# Altium PCB MB1363.PcbDoc (part 1 of 7) (continued)
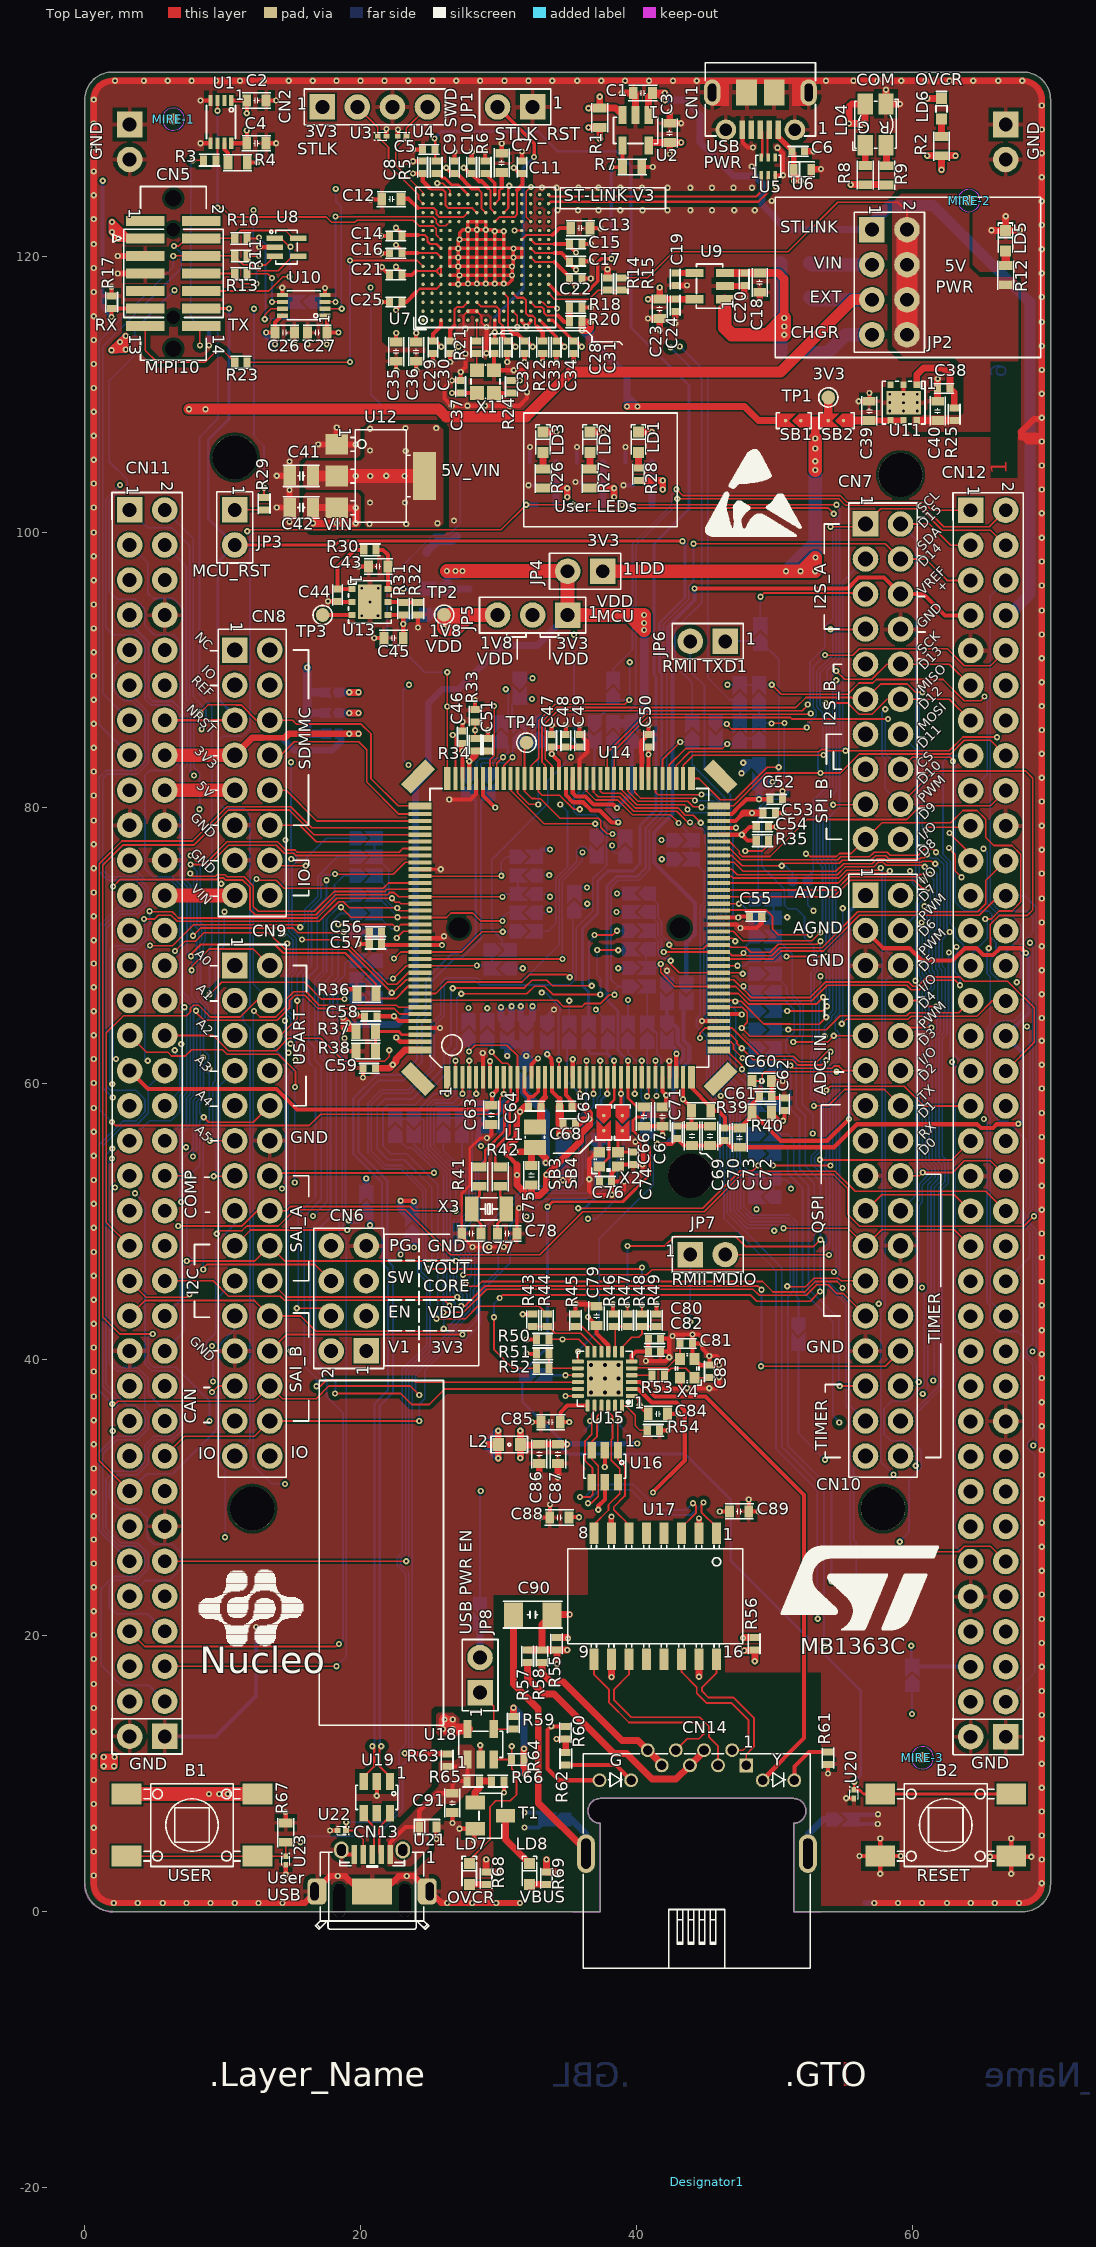
[diagram p0: Top Layer view]
## Components (designator, comment, footprint, x,y, rotation, side; value= is the part's Value field where it differs from the comment) (continued)
LD8 "LED_green" LED_0603_OSRAM_LG-Q396-PS-35_GREEN_1A2K_H0P4 32.241,2.729 r90 top value=GREEN
MIRE-1 "Comment" MIRE_PLACE_SMD_0P8MM 6.416,129.929 r0 top
MIRE-2 "Comment" MIRE_PLACE_SMD_0P8MM 64.091,124.029 r0 top
MIRE-3 "Comment" MIRE_PLACE_SMD_0P8MM 60.716,11.154 r0 top
MIRE-4 "Comment" MIRE_PLACE_SMD_0P8MM 63.891,130.654 r180 bottom
MIRE-5 "Comment" MIRE_PLACE_SMD_0P8MM 5.841,128.029 r180 bottom
MIRE-6 "Comment" MIRE_PLACE_SMD_0P8MM 65.016,2.029 r180 bottom
Q1 "9013-SOT23" NPN_SOT23 40.141,106.147 r180 bottom
Q2 "9013-SOT23" NPN_SOT23 36.616,106.147 r180 bottom
Q3 "9013-SOT23" NPN_SOT23 33.208,106.147 r180 bottom
R1 "Resistor" R0603 37.325,130.029 r270 top value=100K
R2 "Resistor" R0603 62.091,127.979 r270 top value=1K
R3 "Resistor" R0402 9.041,126.954 r0 top value=47R
R4 "Resistor" R0603 11.066,126.779 r0 top value=100K
R5 "Resistor" R0402 25.466,126.429 r90 top value=100R
R6 "Resistor" R0402 29.016,126.429 r270 top value=3K
R7 "Resistor" R0603 39.673,126.459 r0 top value=10K
R8 "Resistor" R0603 56.566,125.877 r270 top value=330R
R9 "Resistor" R0603 58.116,125.852 r270 top value=330R
R10 "Resistor" R0402 11.316,121.279 r0 top value=47R
R11 "Resistor" R0402 11.316,120.004 r180 top value=47R
R12 "Resistor" R0603 66.746,118.619 r270 top value=620R
R13 "Resistor" R0402 11.316,118.729 r0 top value=47R
R14 "Resistor" R0402 37.891,117.979 r270 top value=4K7
R15 "Resistor" R0402 38.941,117.979 r270 top value=2K7
R17 "Resistor" R0402 1.941,116.654 r270 top value=100R
R18 "Resistor" R0402 35.591,116.279 r0 top value=4K7
R20 "Resistor" R0402 35.591,115.229 r0 top value=4K7
R21 "Resistor" R0402 28.416,113.404 r90 top value=100R
R22 "Resistor" R0402 33.191,113.404 r90 top value=10K
R23 "Resistor" R0402 11.316,112.304 r180 top value=47R
R24 "Resistor" R0402 30.916,110.529 r270 top value=10K
R25 "Resistor" R0402 63.016,108.529 r270 top value=10K
R26 "Resistor" R0603 33.216,103.879 r270 top value=360R
R27 "Resistor" R0603 36.616,103.879 r270 top value=470R
R28 "Resistor" R0402 40.141,104.179 r270 top value=270R
R29 "Resistor" R0402 12.991,102.054 r270 top value=47R
R30 "Resistor" R0402 20.666,98.704 r180 top value=10K
R31 "Resistor" R0402 23.1,94.45 r90 top value=27K
R32 "Resistor" R0402 24.15,94.45 r90 top value=56K
R33 "Resistor" R0402 28.291,86.679 r90 top value=0R
R34 "Resistor" R0402 28.291,84.579 r90 top value=0R
R35 "Resistor" R0402 49.116,77.629 r0 top value=0R
R36 "Resistor" R0603 20.416,66.504 r180 top value=10K
R37 "Resistor" R0603 20.366,63.753 r180 top value=10K
R38 "Resistor" R0603 20.366,62.379 r180 top value=10K
R39 "Resistor" R0603 44.666,58.054 r180 top value=0R
R40 "Resistor" R0603 49.066,57.929 r180 top value=0R
R41 "Resistor" R0603 28.616,53.279 r270 top value=0R
R42 "Resistor" R0603 30.116,53.279 r270 top value=0R
R43 "Resistor" R0402 32.466,42.854 r90 top value=10K
R44 "Resistor" R0402 33.516,42.854 r270 top value=33R
R45 "Resistor" R0402 35.566,42.854 r90 top value=10K
R46 "Resistor" R0402 38.291,42.854 r90 top value=10K
R47 "Resistor" R0402 39.341,42.854 r270 top value=33R
R48 "Resistor" R0402 40.391,42.854 r270 top value=33R
R49 "Resistor" R0402 41.441,42.854 r90 top value=10K
R50 "Resistor" R0402 33.191,41.479 r180 top value=1K5
R51 "Resistor" R0402 33.191,40.429 r180 top value=10K
R52 "Resistor" R0402 33.191,39.379 r0 top value=33R
R53 "Resistor" R0402 41.566,38.879 r180 top value=0R
R54 "Resistor" R0402 41.216,34.879 r0 top value=12K1
R55 "Resistor" R0402 34.191,19.404 r90 top value=75R
R56 "Resistor" R0402 48.516,19.404 r90 top value=75R
R57 "Resistor" R0402 32.091,18.504 r270 top value=75R
R58 "Resistor" R0402 33.141,18.504 r270 top value=75R
R59 "Resistor" R0402 31.066,13.679 r90 top value=47K
R60 "Resistor" R0402 34.841,12.973 r90 top value=10K
R61 "Resistor" R0402 53.866,11.129 r90 top value=270R
R62 "Resistor" R0402 34.866,11.079 r270 top value=270R
R63 "Resistor" R0402 26.266,10.979 r90 top value=10K
R64 "Resistor" R0402 31.391,11.024 r0 top value=47K
R65 "Resistor" R0402 28.141,9.454 r0 top value=47K
R66 "Resistor" R0402 29.941,9.454 r180 top value=10K
R67 "Resistor" R0603 14.566,5.729 r270 top value=100K
R68 "Resistor" R0402 29.091,2.429 r90 top value=360R
R69 "Resistor" R0402 33.466,2.429 r90 top value=270R
R70 "Resistor" R0402 15.866,115.454 r0 bottom value=100R
R71 "Resistor" R0603 40.411,103.385 r0 bottom value=100K
R72 "Resistor" R0603 36.866,103.379 r0 bottom value=100K
R73 "Resistor" R0603 33.466,103.379 r0 bottom value=100K
R74 "Resistor" R0603 36.866,101.979 r0 bottom value=47K
R75 "Resistor" R0603 33.466,101.979 r0 bottom value=47K
R76 "Resistor" R0603 40.414,101.967 r0 bottom value=47K
R77 "Resistor" R0603 30.266,54.904 r270 bottom value=330R
R78 "Resistor" R0402 39.191,34.379 r270 bottom value=49.9R
R79 "Resistor" R0402 38.191,34.379 r270 bottom value=49.9R
R80 "Resistor" R0402 37.191,34.379 r270 bottom value=49.9R
R81 "Resistor" R0402 36.191,34.379 r270 bottom value=49.9R
SB1 "SB_ON" SOLDER-BRIDGE_R0603-0R 51.391,108.079 r180 top
SB2 "SB_ON" SOLDER-BRIDGE_R0603-0R 54.491,108.079 r180 top
SB3 "SB_ON" SOLDER-BRIDGE_R0603-0R 37.616,57.204 r270 top
SB4 "SB_ON" SOLDER-BRIDGE_R0603-0R 38.966,57.204 r270 top
SB5 "SB_ON" SOLDER-BRIDGE_R0603-0R 15.891,116.679 r180 bottom
SB6 "SB_ON" SOLDER-BRIDGE_R0603-0R 25.441,95.879 r180 bottom
SB7 "SB_ON" SOLDER-BRIDGE_R0603-0R 25.441,94.004 r0 bottom
SB8 "SB_ON" SOLDER-BRIDGE_R0603-0R 48.966,92.604 r90 bottom
SB9 "SB_ON" SOLDER-BRIDGE_R0603-0R 38.291,88.679 r90 bottom
SB10 "SB_ON" SOLDER-BRIDGE_R0603-0R 31.516,88.679 r270 bottom
SB11 "SB_ON" SOLDER-BRIDGE_R0603-0R 48.866,88.329 r90 bottom
SB12 "SB_ON" SOLDER-BRIDGE_R0603-0R 47.466,88.329 r90 bottom
SB13 "SB_ON" SOLDER-BRIDGE_R0402-0R 17.925,88.375 r180 bottom
SB14 "SB_ON" SOLDER-BRIDGE_R0402-0R 17.925,86.875 r180 bottom
SB15 "SB_ON" SOLDER-BRIDGE_R0603-0R 48.866,85.529 r90 bottom
SB16 "SB_ON" SOLDER-BRIDGE_R0603-0R 47.466,85.529 r90 bottom
SB17 "SB_ON" SOLDER-BRIDGE_R0603-0R 44.025,85.575 r90 bottom
SB18 "SB_ON" SOLDER-BRIDGE_R0603-0R 39.641,85.529 r90 bottom
SB19 "SB_ON" SOLDER-BRIDGE_R0603-0R 38.291,85.529 r90 bottom
SB20 "SB_ON" SOLDER-BRIDGE_R0603-0R 36.941,85.529 r270 bottom
SB21 "SB_ON" SOLDER-BRIDGE_R0603-0R 32.866,85.529 r90 bottom
SB22 "SB_ON" SOLDER-BRIDGE_R0603-0R 31.516,85.529 r90 bottom
SB23 "SB_ON" SOLDER-BRIDGE_R0603-0R 30.166,85.529 r90 bottom
SB24 "SB_ON" SOLDER-BRIDGE_R0402-0R 17.925,85.375 r180 bottom
SB25 "SB_ON" SOLDER-BRIDGE_R0603-0R 48.866,82.479 r270 bottom
SB26 "SB_ON" SOLDER-BRIDGE_R0603-0R 29.266,81.729 r270 bottom
SB27 "SB_ON" SOLDER-BRIDGE_R0603-0R 27.766,81.729 r270 bottom
SB28 "SB_ON" SOLDER-BRIDGE_R0603-0R 39.166,77.204 r90 bottom
SB29 "SB_ON" SOLDER-BRIDGE_R0603-0R 37.116,77.204 r270 bottom
SB30 "SB_ON" SOLDER-BRIDGE_R0603-0R 20.391,77.804 r0 bottom
SB31 "SB_ON" SOLDER-BRIDGE_R0603-0R 43.366,77.654 r0 bottom
SB32 "SB_ON" SOLDER-BRIDGE_R0603-0R 31.991,76.454 r0 bottom
SB33 "SB_ON" SOLDER-BRIDGE_R0603-0R 20.391,76.454 r0 bottom
SB34 "SB_ON" SOLDER-BRIDGE_R0603-0R 43.366,76.279 r0 bottom
SB35 "SB_ON" SOLDER-BRIDGE_R0603-0R 31.991,75.104 r180 bottom
SB36 "SB_ON" SOLDER-BRIDGE_R0603-0R 20.391,75.079 r0 bottom
SB37 "SB_ON" SOLDER-BRIDGE_R0402-0R 52.4,74.25 r270 bottom
SB38 "SB_ON" SOLDER-BRIDGE_R0402-0R 51.3,74.25 r270 bottom
SB39 "SB_ON" SOLDER-BRIDGE_R0603-0R 35.466,73.204 r90 bottom
SB40 "SB_ON" SOLDER-BRIDGE_R0603-0R 40.166,73.804 r180 bottom
SB41 "SB_ON" SOLDER-BRIDGE_R0603-0R 31.991,73.754 r180 bottom
SB42 "SB_ON" SOLDER-BRIDGE_R0603-0R 20.391,73.704 r0 bottom
SB43 "SB_ON" SOLDER-BRIDGE_R0603-0R 49.316,73.379 r0 bottom
SB44 "SB_ON" SOLDER-BRIDGE_R0603-0R 40.166,72.454 r180 bottom
SB45 "SB_ON" SOLDER-BRIDGE_R0603-0R 31.991,72.404 r180 bottom
SB46 "SB_ON" SOLDER-BRIDGE_R0603-0R 20.391,72.354 r0 bottom
SB47 "SB_ON" SOLDER-BRIDGE_R0603-0R 49.316,72.029 r0 bottom
SB48 "SB_ON" SOLDER-BRIDGE_R0603-0R 40.166,71.104 r0 bottom
SB49 "SB_ON" SOLDER-BRIDGE_R0603-0R 31.991,71.054 r0 bottom
SB50 "SB_ON" SOLDER-BRIDGE_R0603-0R 20.391,71.004 r0 bottom
SB51 "SB_ON" SOLDER-BRIDGE_R0603-0R 49.316,70.679 r0 bottom
SB52 "SB_ON" SOLDER-BRIDGE_R0603-0R 40.166,69.754 r180 bottom
SB53 "SB_ON" SOLDER-BRIDGE_R0603-0R 30.116,69.704 r0 bottom
SB54 "SB_ON" SOLDER-BRIDGE_R0603-0R 49.316,69.329 r0 bottom
SB55 "SB_ON" SOLDER-BRIDGE_R0603-0R 20.391,68.929 r180 bottom
SB56 "SB_ON" SOLDER-BRIDGE_R0603-0R 40.166,68.404 r0 bottom
SB57 "SB_ON" SOLDER-BRIDGE_R0603-0R 30.116,68.354 r180 bottom
SB58 "SB_ON" SOLDER-BRIDGE_R0603-0R 49.316,67.979 r0 bottom
SB59 "SB_ON" SOLDER-BRIDGE_R0603-0R 20.391,67.579 r180 bottom
SB60 "SB_ON" SOLDER-BRIDGE_R0603-0R 43.591,66.579 r270 bottom
SB61 "SB_ON" SOLDER-BRIDGE_R0603-0R 42.191,66.579 r270 bottom
SB62 "SB_ON" SOLDER-BRIDGE_R0603-0R 40.166,67.054 r0 bottom
SB63 "SB_ON" SOLDER-BRIDGE_R0603-0R 49.316,66.629 r180 bottom
SB64 "SB_ON" SOLDER-BRIDGE_R0603-0R 20.391,66.229 r0 bottom
SB65 "SB_ON" SOLDER-BRIDGE_R0603-0R 49.316,65.279 r0 bottom
SB66 "SB_ON" SOLDER-BRIDGE_R0603-0R 29.166,63.929 r90 bottom
SB67 "SB_ON" SOLDER-BRIDGE_R0603-0R 27.816,63.929 r90 bottom
SB68 "SB_ON" SOLDER-BRIDGE_R0603-0R 42.191,63.754 r270 bottom
SB69 "SB_ON" SOLDER-BRIDGE_R0603-0R 40.766,63.754 r90 bottom
SB70 "SB_ON" SOLDER-BRIDGE_R0603-0R 39.366,63.754 r90 bottom
SB71 "SB_ON" SOLDER-BRIDGE_R0603-0R 37.916,63.754 r90 bottom
SB72 "SB_ON" SOLDER-BRIDGE_R0603-0R 36.516,63.754 r90 bottom
SB73 "SB_ON" SOLDER-BRIDGE_R0603-0R 35.116,63.754 r90 bottom
SB74 "SB_ON" SOLDER-BRIDGE_R0603-0R 33.509,63.753 r270 bottom
SB75 "SB_ON" SOLDER-BRIDGE_R0603-0R 32.015,63.753 r270 bottom
SB76 "SB_ON" SOLDER-BRIDGE_R0603-0R 30.616,63.753 r270 bottom
SB77 "SB_ON" SOLDER-BRIDGE_R0603-0R 49.316,63.929 r0 bottom
SB78 "SB_ON" SOLDER-BRIDGE_R0603-0R 49.316,62.579 r0 bottom
SB79 "SB_ON" SOLDER-BRIDGE_R0603-0R 31.966,60.829 r270 bottom
SB80 "SB_ON" SOLDER-BRIDGE_R0603-0R 49.316,61.229 r0 bottom
SB81 "SB_ON" SOLDER-BRIDGE_R0603-0R 49.291,58.479 r180 bottom
SB82 "SB_ON" SOLDER-BRIDGE_R0603-0R 30.366,57.629 r90 bottom
SB83 "SB_ON" SOLDER-BRIDGE_R0603-0R 28.866,57.629 r90 bottom
SB84 "SB_ON" SOLDER-BRIDGE_R0603-0R 40.766,57.204 r90 bottom
SB85 "SB_ON" SOLDER-BRIDGE_R0603-0R 27.341,56.929 r90 bottom
SB86 "SB_ON" SOLDER-BRIDGE_R0603-0R 25.991,56.929 r90 bottom
SB87 "SB_ON" SOLDER-BRIDGE_R0603-0R 23.841,56.929 r270 bottom
SB88 "SB_ON" SOLDER-BRIDGE_R0603-0R 22.491,56.929 r90 bottom
SB89 "SB_ON" SOLDER-BRIDGE_R0603-0R 49.291,56.354 r0 bottom
SB90 "SB_ON" SOLDER-BRIDGE_R0603-0R 39.066,57.204 r270 bottom
SB91 "SB_ON" SOLDER-BRIDGE_R0603-0R 37.191,55.229 r270 bottom
SB92 "SB_ON" SOLDER-BRIDGE_R0603-0R 34.641,54.629 r270 bottom
SB93 "SB_ON" SOLDER-BRIDGE_R0603-0R 49.291,54.929 r0 bottom
SB94 "SB_ON" SOLDER-BRIDGE_R0603-0R 49.291,53.154 r0 bottom
SB95 "SB_ON" SOLDER-BRIDGE_R0603-0R 20.391,51.434 r90 bottom
SB96 "SB_ON" SOLDER-BRIDGE_R0603-0R 49.291,51.804 r180 bottom
SB97 "SB_ON" SOLDER-BRIDGE_R0603-0R 23.725,49.75 r90 bottom
SB98 "SB_ON" SOLDER-BRIDGE_R0603-0R 32.691,38.879 r0 bottom
SB99 "SB_ON" SOLDER-BRIDGE_R0603-0R 28.646,21.589 r270 bottom
SB100 "SB_ON" SOLDER-BRIDGE_R0603-0R 59.975,17.125 r90 bottom
SB101 "SB_ON" SOLDER-BRIDGE_R0603-0R 34.075,6.675 r180 bottom
SB102 "SB_ON" SOLDER-BRIDGE_R0603-0R 54.95,6.675 r0 bottom
SB103 "SB_ON" SOLDER-BRIDGE_R0603-0R 45.725,85.575 r270 bottom
SB104 "SB_ON" SOLDER-BRIDGE_R0603-0R 51.725,41.85 r270 bottom
T1 "9013-SOT23" NPN_SOT23 29.391,6.954 r270 top
TP1 "Test Point" TP_SMD_1MM 53.891,109.754 r270 top
TP2 "Test Point" TP_SMD_1MM 26.041,94.004 r180 top
TP3 "Test Point" TP_SMD_1MM 17.241,93.979 r270 top
TP4 "Test Point" TP_SMD_1MM 32.016,84.729 r0 top
U1 "SN74LVC2T45DCUT" ICC_VSSOP8_DCU_R-PDSO-G8_2X2P30_P050 9.866,129.729 r180 top
U2 "STMPS2151STR" MOS_SOT23-5L 39.916,129.114 r180 top
U3 "ESD-TRANSIL" ESD_ST0201 21.541,128.679 r0 top value=ESDALC6V1-1U2
U4 "ESD-TRANSIL" ESD_ST0201 22.991,128.679 r180 top value=ESDALC6V1-1U2
U5 "ECMF02-2AMX6" ESD_QFN-6L_1P7X1P5_P050 49.541,126.504 r0 top
U6 "ESD-TRANSIL" ESD_QFN2_1P6X1_P125 52.024,126.293 r0 top value=ESDA7P60-1U1M
U7 "ST-LINKV3E_SWD" ICC_UFBGA201_176+25_10X10_P065 29.066,119.904 r90 top
U8 "ESDALC6V1W5" ESD_SOT323-5L 14.616,120.654 r270 top
U9 "LD3985M33R" REG_SOT23-5L 45.291,117.829 r90 top
U10 "SN74LVC2T45DCUT" ICC_VSSOP8_DCU_R-PDSO-G8_2X2P30_P050 15.866,116.429 r90 top
U11 "ST1L05CPU33R" ICC_DFN6-EPAD_3X3_P095 59.348,109.376 r180 top value="ST1L05CPU33R 3.3V 1.3A"
U12 "LD1117S50TR" REG_SOT223-TAB 21.441,104.054 r270 top
U13 "ST1L05BPUR" ICC_DFN6-EPAD_3X3_P095 20.666,94.929 r270 top
U14 "STM32H7_LQFP144_SMPS" ICC_LQFP144_20X20_P050_SOCKET_YAMAICHI_IC149-144-145-B5_NM 35.116,71.304 r90 top locked value=STM32H7A3ZIT6Q
U15 "LAN8742A-CZ-TR" ICC_VQFN24-EPAD_4X4_P050 37.691,38.629 r180 top
U16 "USBLC6-4SC6" ESD_SOT23-6L 37.691,32.279 r180 top
U17 "KMS-1102NL" TRS_DGKYD_KMS-1102NL 41.346,22.859 r180 top
U18 "STMPS2141STR" MOS_SOT23-5L 28.691,12.124 r0 top
U19 "USBLC6-2SC6" ESD_SOT23-6L 21.166,8.279 r180 top locked
U20 "ESD-TRANSIL" ESD_ST0201 55.748,8.523 r270 top value=ESDALC6V1-1U2
U21 "ESD-TRANSIL" ESD_QFN2_1P6X1_P125 24.866,6.129 r0 top value=ESDA7P60-1U1M
U22 "ESD-TRANSIL" ESD_ST0201 18.616,5.879 r180 top value=ESDALC6V1-1U2
U23 "ESD-TRANSIL" ESD_ST0201 14.566,3.704 r270 top value=ESDALC6V1-1U2
U24 "ESDALC6V1W5" ESD_SOT323-5L 8.991,115.354 r180 bottom
X1 "OSCILLATOR_4_PINS" OSC_NDK_NZ2520SB_4P 29.041,110.904 r90 top value=25MHz
X2 "XTAL_4_PINS" CRY_NX2016SA_4P 37.966,54.529 r0 top value="NX2016SA 25MHz"
X3 "XTAL_2_PINS" CRY_NX3215SA_2P 29.291,50.932 r180 top value=NX3215SA-32.768K
X4 "XTAL_4_PINS" CRY_NX2016SA_4P 43.666,39.379 r90 top value="NX2016SA 25MHz"

## Footprints (in the part's own frame and the unit in brackets; to place one, negate y for a bottom-side part, rotate by r counter-clockwise, add the part's x,y. Pads: shape width x height; smd on the part's side, far side on the other; paste and mask are expansions set on the pad)
C0402 [mm]
  rect 0.51x0.56 smd mask+0.05: 1(-0.45,0) 2(0.45,0)
  silkscreen extent -0.72,-0.35 0.72,0.35, body extent -0.5,-0.3 0.5,0.3, height 0.4
C0603 [mm]
  rect 0.64x0.89 smd mask+0.05: 1(-0.7,0) 2(0.7,0)
  silkscreen extent -1.05,-0.55 1.02,0.55, body extent -0.9,-0.5 0.9,0.5, height 1.4
C0805 [mm]
  rect 0.9x1.4 smd mask+0.05: 1(-0.85,0) 2(0.85,0)
  silkscreen extent -1.3,-0.77 1.3,0.77, body extent -1.1,-0.7 1.1,0.7, height 1.35
C1206_H1P6 [mm]
  rect 1.4x1.78 smd mask+0.05: 1(-1.4,0) 2(1.4,0)
  silkscreen extent -2.12,-0.97 2.15,0.97, body extent -1.7,-0.9 1.7,0.9, height 1.8
CON_RJ45_DGKYD_KRJ-CB4.2GYZNL [mm] "RJ45  connector, right angle"
  rect 1x1 hole 0.7 mask+0.05: 1(3.57,10.6)
  round 1 hole 0.7 mask+0.05: 2(2.55,11.7) 3(1.53,10.6) 4(0.51,11.7) 5(-0.51,10.6) 6(-1.53,11.7) 7(-2.55,10.6) 8(-3.57,11.7) 9(7.06,9.52) 10(4.77,9.52) 11(-4.77,9.52) 12(-7.06,9.52)
  oval 1.3x2.8 hole 0.7 slot 2.2 at 90 deg mask+0.05: SH1(8.04,4.2) SH2(-8.04,4.2)
  Multi-Layer keep-out lines w0.1: -9,0 -7,0 -7,6.4 cw(c-7,7.3) -7,8.2 7,8.2 cw(c7,7.3) 7,6.4 7,0 9,0
  silkscreen extent -8.23,-4.1 8.22,11.45, body extent -8.39,-4.1 8.39,11.9, height 6.85
CON_SAMTEC_SSW-108-23-X-D_N144_ARD [mm] "NUCLEO144_ARDUINO CONNECTOR"
  rect 1.85x1.85 / inner round 1.85 / far side rect 1.85x1.85 hole 1.1 mask+0.05: 1(8.89,1.27)
  round 1.85 hole 1.1 mask+0.05: 2(8.89,-1.27) 3(6.35,1.27) 4(6.35,-1.27) 5(3.81,1.27) 6(3.81,-1.27) 7(1.27,1.27) 8(1.27,-1.27) 9(-1.27,1.27) 10(-1.27,-1.27) 11(-3.81,1.27) 12(-3.81,-1.27) 13(-6.35,1.27) 14(-6.35,-1.27) 15(-8.89,1.27) 16(-8.89,-1.27)
  silkscreen extent -10.42,-2.47 10.42,2.47, body extent -10.42,-2.48 10.42,2.48, height 8.51
CON_SAMTEC_SSW-110-23-X-D_N144_ARD [mm] "NUCLEO144_ARDUINO CONNECTOR"
  rect 1.85x1.85 / inner round 1.85 / far side rect 1.85x1.85 hole 1.1 mask+0.05: 1(11.43,1.27)
  round 1.85 hole 1.1 mask+0.05: 2(11.43,-1.27) 3(8.89,1.27) 4(8.89,-1.27) 5(6.35,1.27) 6(6.35,-1.27) 7(3.81,1.27) 8(3.81,-1.27) 9(1.27,1.27) 10(1.27,-1.27) 11(-1.27,1.27) 12(-1.27,-1.27) 13(-3.81,1.27) 14(-3.81,-1.27) 15(-6.35,1.27) 16(-6.35,-1.27) 17(-8.89,1.27) 18(-8.89,-1.27) 19(-11.43,1.27) 20(-11.43,-1.27)
  silkscreen extent -12.96,-2.47 12.96,2.47, body extent -12.96,-2.48 12.96,2.48, height 8.51
CON_SAMTEC_SSW-115-23-X-D_N144_ARD [mm] "NUCLEO144_ARDUINO CONNECTOR"
  rect 1.85x1.85 / inner round 1.85 / far side rect 1.85x1.85 hole 1.1 mask+0.05: 1(17.78,1.27)
  round 1.85 hole 1.1 mask+0.05: 2(17.78,-1.27) 3(15.24,1.27) 4(15.24,-1.27) 5(12.7,1.27) 6(12.7,-1.27) 7(10.16,1.27) 8(10.16,-1.27) 9(7.62,1.27) 10(7.62,-1.27) 11(5.08,1.27) 12(5.08,-1.27) 13(2.54,1.27) 14(2.54,-1.27) 15(0,1.27) 16(0,-1.27) 17(-2.54,1.27) 18(-2.54,-1.27) 19(-5.08,1.27) 20(-5.08,-1.27) 21(-7.62,1.27) 22(-7.62,-1.27) 23(-10.16,1.27) 24(-10.16,-1.27) 25(-12.7,1.27) 26(-12.7,-1.27) 27(-15.24,1.27) 28(-15.24,-1.27) 29(-17.78,1.27) 30(-17.78,-1.27)
  silkscreen extent -19.31,-2.47 19.31,2.47, body extent -19.31,-2.48 19.31,2.48, height 8.51
CON_SAMTEC_SSW-117-23-X-D_N144_ARD [mm] "NUCLEO144_ARDUINO CONNECTOR"
  rect 1.85x1.85 / inner round 1.85 / far side rect 1.85x1.85 hole 1.1 mask+0.05: 1(20.32,1.27)
  round 1.85 hole 1.1 mask+0.05: 2(20.32,-1.27) 3(17.78,1.27) 4(17.78,-1.27) 5(15.24,1.27) 6(15.24,-1.27) 7(12.7,1.27) 8(12.7,-1.27) 9(10.16,1.27) 10(10.16,-1.27) 11(7.62,1.27) 12(7.62,-1.27) 13(5.08,1.27) 14(5.08,-1.27) 15(2.54,1.27) 16(2.54,-1.27) 17(0,1.27) 18(0,-1.27) 19(-2.54,1.27) 20(-2.54,-1.27) 21(-5.08,1.27) 22(-5.08,-1.27) 23(-7.62,1.27) 24(-7.62,-1.27) 25(-10.16,1.27) 26(-10.16,-1.27) 27(-12.7,1.27) 28(-12.7,-1.27) 29(-15.24,1.27) 30(-15.24,-1.27) 31(-17.78,1.27) 32(-17.78,-1.27) 33(-20.32,1.27) 34(-20.32,-1.27)
  silkscreen extent -21.85,-2.47 21.85,2.47, body extent -21.85,-2.48 21.85,2.48, height 8.51
CON_SAMTEC_TSW-102-07-G-S [mm]
  rect 1.85x1.85 / inner round 1.85 / far side rect 1.85x1.85 hole 1 mask+0.05: 1(-1.27,0)
  round 1.85 hole 1 mask+0.05: 2(1.27,0)
  silkscreen extent -2.58,-1.3 2.58,1.3, body extent -2.67,-1.3 2.58,1.3, height 8.38
CON_SAMTEC_TSW-102-09-X-S [mm]
  rect 1.85x1.85 / inner round 1.85 / far side rect 1.85x1.85 hole 1 mask+0.05: 1(-1.27,0)
  round 1.85 hole 1 mask+0.05: 2(1.27,0)
  silkscreen extent -2.64,-1.37 2.64,1.37, body extent -2.67,-1.3 2.58,1.3, height 8.38
CON_SAMTEC_TSW-103-07-F-S [mm]
  rect 1.85x1.85 / inner round 1.85 / far side rect 1.85x1.85 hole 1 mask+0.05: 1(-2.54,0)
  round 1.85 hole 1 mask+0.05: 2(0,0) 3(2.54,0)
  silkscreen extent -3.85,-1.3 3.85,1.3, body extent -3.91,-1.37 3.91,1.37, height 8.38
CON_SAMTEC_TSW-104-07-G-S [mm]
  rect 1.85x1.85 / inner round 1.85 / far side rect 1.85x1.85 hole 1 mask+0.05: 1(-3.81,0)
  round 1.85 hole 1 mask+0.05: 2(-1.27,0) 3(1.27,0) 4(3.81,0)
  silkscreen extent -5.12,-1.3 5.12,1.3, body extent -5.21,-1.37 5.18,1.37, height 8.38
CON_SAMTEC_TSW-104-07-X-D [mm]
  rect 1.85x1.85 / inner round 1.85 / far side rect 1.85x1.85 hole 1 mask+0.05: 1(-3.81,-1.27)
  round 1.85 hole 1 mask+0.05: 2(-3.81,1.27) 3(-1.27,-1.27) 4(-1.27,1.27) 5(1.27,-1.27) 6(1.27,1.27) 7(3.81,-1.27) 8(3.81,1.27)
  silkscreen extent -5.08,-2.54 5.08,2.54, body extent -5.08,-2.54 5.08,2.54, height 8.38
CON_SAMTEC_TSW-135-07-X-D [mm]
  rect 1.85x1.85 / inner round 1.85 / far side rect 1.85x1.85 hole 1 mask+0.05: 1(-43.18,-1.27)
  round 1.85 hole 1 mask+0.05: 2(-43.18,1.27) 3(-40.64,-1.27) 4(-40.64,1.27) 5(-38.1,-1.27) 6(-38.1,1.27) 7(-35.56,-1.27) 8(-35.56,1.27) 9(-33.02,-1.27) 10(-33.02,1.27) 11(-30.48,-1.27) 12(-30.48,1.27) 13(-27.94,-1.27) 14(-27.94,1.27) 15(-25.4,-1.27) 16(-25.4,1.27) 17(-22.86,-1.27) 18(-22.86,1.27) 19(-20.32,-1.27) 20(-20.32,1.27) 21(-17.78,-1.27) 22(-17.78,1.27) 23(-15.24,-1.27) 24(-15.24,1.27) 25(-12.7,-1.27) 26(-12.7,1.27) 27(-10.16,-1.27) 28(-10.16,1.27) 29(-7.62,-1.27) 30(-7.62,1.27) 31(-5.08,-1.27) 32(-5.08,1.27) 33(-2.54,-1.27) 34(-2.54,1.27) 35(0,-1.27) 36(0,1.27) 37(2.54,-1.27) 38(2.54,1.27) 39(5.08,-1.27) 40(5.08,1.27) 41(7.62,-1.27) 42(7.62,1.27) 43(10.16,-1.27) 44(10.16,1.27) 45(12.7,-1.27) 46(12.7,1.27) 47(15.24,-1.27) 48(15.24,1.27) 49(17.78,-1.27) 50(17.78,1.27) 51(20.32,-1.27) 52(20.32,1.27) 53(22.86,-1.27) 54(22.86,1.27) 55(25.4,-1.27) 56(25.4,1.27) 57(27.94,-1.27) 58(27.94,1.27) 59(30.48,-1.27) 60(30.48,1.27) 61(33.02,-1.27) 62(33.02,1.27) 63(35.56,-1.27) 64(35.56,1.27) 65(38.1,-1.27) 66(38.1,1.27) 67(40.64,-1.27) 68(40.64,1.27) 69(43.18,-1.27) 70(43.18,1.27)
  silkscreen extent -44.45,-2.54 44.45,2.54, body extent -44.45,-2.54 44.45,2.54, height 8.38
CON_STDC14_Receiver_MEDIUM_WITH_MIPI10_3D [mm] "compatible with FTSH-105-01-L-DV,-K and FTSH-107-01-L-DV,-K,-A,-P,-ES"
  round 0 hole 1.19 unplated mask+0.05: 0(-5.445,0) 0(5.445,0)
  round 0 hole 0.97 unplated mask+0.05: 0(-3.175,0) 0(3.175,0)
  rect 0.74x2.79 smd mask+0.05: 1(-3.81,-2.032) 2(-3.81,2.032) 3(-2.54,-2.032) 4(-2.54,2.032) 5(-1.27,-2.032) 6(-1.27,2.032) 7(0,-2.032) 8(0,2.032) 9(1.27,-2.032) 10(1.27,2.032) 11(2.54,-2.032) 12(2.54,2.032) 13(3.81,-2.032) 14(3.81,2.032)
  silkscreen extent -6.3,-4.38 6.3,3.6, body extent -6.3,-2.92 6.3,2.92, height 6.6
CON_USBMICROAB_MOLEX_47590-0001_H3 [mm]
  rect 0.4x1.35 smd mask+0.05: 1(1.3,4.125) 2(0.65,4.125) 3(0,4.125) 4(-0.65,4.125) 5(-1.3,4.125)
  oval 1.05x1.25 hole 0.65 slot 0.85 at 90 deg mask+0.05: 6(-2.225,4.45) 7(2.225,4.45)
  rrect50% 1.375x1.9 hole 0.6 slot 1.3 at 90 deg copper offset 0.188,0 mask+0.05: 8(-4.175,1.45)
  rrect50% 1.375x1.9 hole 0.6 slot 1.3 at 90 deg copper offset -0.188,0 mask+0.05: 9(4.175,1.45)
  rect 2.9x1.9 smd mask+0.05: 10(0,1.45)
  oval 0.85x2.425 hole 0.85 slot 2.425 at 90 deg unplated mask+0.1: 11(-2.375,0.8) 12(2.375,0.8)
  silkscreen extent -4.1,-1.3 4.1,4.3, body extent -4.32,-1.36 4.33,4.6, height 3
CON_USBMICROB_MOLEX_105017-0001_H2P90 [mm]
  rect 0.4x1.35 smd mask+0.05: 1(-1.3,4.15) 2(-0.65,4.15) 3(0,4.15) 4(0.65,4.15) 5(1.3,4.15)
  round 1.5 hole 0.9 mask+0.05: 6(-2.5,4.15) 7(2.5,4.15)
  oval 1.2x1.9 hole 0.6 slot 1.3 at 90 deg mask+0.05: 8(3.5,1.45) 9(-3.5,1.45)
  rect 1.5x1.9 smd mask+0.05: 10(-1,1.45) 11(1,1.45)
  Top Layer region: -3.5,2.4 -2.3,2.4 -2.3,0.5 -3.5,0.5 -3.5,2.4
  Top Layer region: 2.3,2.4 3.5,2.4 3.5,0.5 2.3,0.5 2.3,2.4
  silkscreen extent -4,-0.7 4,4.6, body extent -4.1,-1.15 4.1,4.66, height 2.9
CRY_NX2016SA_4P [mm]
  rect 0.85x0.75 smd mask+0.05: 1(-0.675,-0.525) 2(0.675,-0.525) 3(0.675,0.525) 4(-0.675,0.525)
  silkscreen extent -1.22,-1.02 1.05,0.85, body extent -1.05,-0.85 1.05,0.85, height 0.7
CRY_NX3215SA_2P [mm]
  rect 1x1.8 smd mask+0.05: 1(-1.25,0) 2(1.25,0)
  silkscreen extent -0.63,-0.8 0.63,0.8, body extent -1.65,-0.8 1.65,0.8, height 0.9
DIO_SOD323 [mm]
  rect 1.06x0.54 smd mask+0.05: 1(-1.07,0) 2(1.07,0)
  silkscreen extent -0.9,-0.72 0.9,0.72, body extent -1.3,-0.78 1.3,0.78, height 1.17
ESD_QFN2_1P6X1_P125 [mm]
  rect 0.55x0.8 smd mask+0.05: 1(-0.625,0) 2(0.625,0)
  silkscreen extent -1,-0.55 0.85,0.55, body extent -0.85,-0.55 0.85,0.55, height 0.61
ESD_QFN-6L_1P7X1P5_P050 [mm]
  rect 0.25x0.6 smd mask+0.05: 1(-0.5,-0.65) 2(0,-0.65) 3(0.5,-0.65) 4(0.5,0.65) 5(0,0.65) 6(-0.5,0.65)
  silkscreen extent -0.9,-0.8 0.9,0.8, body extent -0.9,-0.8 0.9,0.8, height 0.56
ESD_SOT23-6L [mm]
  rect 0.6x1.2 smd mask+0.05: 1(-0.95,-1.15) 2(0,-1.15) 3(0.95,-1.15) 4(0.95,1.15) 5(0,1.15) 6(-0.95,1.15)
  silkscreen extent -1.53,-0.87 1.53,0.87, body extent -1.52,-1.5 1.52,1.5, height 1.45
ESD_SOT323-5L [mm]
  rect 0.4x1.2 smd mask+0.05: 1(-0.65,-0.85) 2(0,-0.85) 3(0.65,-0.85) 4(0.65,0.85) 5(-0.65,0.85)
  silkscreen extent -1.22,-1.21 1.22,0.77, body extent -1.15,-1.05 1.15,1.05, height 1.1
ESD_ST0201 [mm]
  rect 0.425x0.33 smd mask+0.05: 1(-0.312,0) 2(0.312,0)
  silkscreen extent -0.55,-0.3 0.33,0.3, body extent -0.34,-0.18 0.34,0.18, height 0.34
ICC_DFN6-EPAD_3X3_P095 [mm]
  rect 0.45x0.5 smd mask+0.05: 1(-0.95,-1.3) 2(0,-1.3) 3(0.95,-1.3) 4(0.95,1.3) 5(0,1.3) 6(-0.95,1.3)
  rect 2.5x1.7 smd mask+0.05: EP(0,0)
  silkscreen extent -1.55,-1.55 1.55,1.55, body extent -1.55,-1.55 1.55,1.55, height 1
ICC_LQFP144_20X20_P050_SOCKET_YAMAICHI_IC149-144-145-B5_NM [mm]
  rect 1x2.5 smd rot 45 mask+0.05: 0(-10.96,-10.96) 0(10.96,10.96)
  rect 1x2.5 smd rot 135 mask+0.05: 0(-10.96,10.96) 0(10.96,-10.96)
  round 0 hole 1.5 unplated mask+0.05: 0(0,8) 0(0,-8)
  rect 1.65x0.5 smd mask+0.05: 1(-10.825,8.85) 36(-10.825,-8.85) 73(10.825,-8.85) 108(10.825,8.85)
  rect 1.65x0.3 smd mask+0.05: 2(-10.825,8.25) 3(-10.825,7.75) 4(-10.825,7.25) 5(-10.825,6.75) 6(-10.825,6.25) 7(-10.825,5.75) 8(-10.825,5.25) 9(-10.825,4.75) 10(-10.825,4.25) 11(-10.825,3.75) 12(-10.825,3.25) 13(-10.825,2.75) 14(-10.825,2.25) 15(-10.825,1.75) 16(-10.825,1.25) 17(-10.825,0.75) 18(-10.825,0.25) 19(-10.825,-0.25) 20(-10.825,-0.75) 21(-10.825,-1.25) 22(-10.825,-1.75) 23(-10.825,-2.25) 24(-10.825,-2.75) 25(-10.825,-3.25) 26(-10.825,-3.75) 27(-10.825,-4.25) 28(-10.825,-4.75) 29(-10.825,-5.25) 30(-10.825,-5.75) 31(-10.825,-6.25) 32(-10.825,-6.75) 33(-10.825,-7.25) 34(-10.825,-7.75) 35(-10.825,-8.25) 74(10.825,-8.25) 75(10.825,-7.75) 76(10.825,-7.25) 77(10.825,-6.75) 78(10.825,-6.25) 79(10.825,-5.75) 80(10.825,-5.25) 81(10.825,-4.75) 82(10.825,-4.25) 83(10.825,-3.75) 84(10.825,-3.25) 85(10.825,-2.75) 86(10.825,-2.25) 87(10.825,-1.75) 88(10.825,-1.25) 89(10.825,-0.75) 90(10.825,-0.25) 91(10.825,0.25) 92(10.825,0.75) 93(10.825,1.25) 94(10.825,1.75) 95(10.825,2.25) 96(10.825,2.75) 97(10.825,3.25) 98(10.825,3.75) 99(10.825,4.25) 100(10.825,4.75) 101(10.825,5.25) 102(10.825,5.75) 103(10.825,6.25) 104(10.825,6.75) 105(10.825,7.25) 106(10.825,7.75) 107(10.825,8.25)
  rect 0.5x1.65 smd mask+0.05: 37(-8.85,-10.825) 72(8.85,-10.825) 109(8.85,10.825) 144(-8.85,10.825)
  rect 0.3x1.65 smd mask+0.05: 38(-8.25,-10.825) 39(-7.75,-10.825) 40(-7.25,-10.825) 41(-6.75,-10.825) 42(-6.25,-10.825) 43(-5.75,-10.825) 44(-5.25,-10.825) 45(-4.75,-10.825) 46(-4.25,-10.825) 47(-3.75,-10.825) 48(-3.25,-10.825) 49(-2.75,-10.825) 50(-2.25,-10.825) 51(-1.75,-10.825) 52(-1.25,-10.825) 53(-0.75,-10.825) 54(-0.25,-10.825) 55(0.25,-10.825) 56(0.75,-10.825) 57(1.25,-10.825) 58(1.75,-10.825) 59(2.25,-10.825) 60(2.75,-10.825) 61(3.25,-10.825) 62(3.75,-10.825) 63(4.25,-10.825) 64(4.75,-10.825) 65(5.25,-10.825) 66(5.75,-10.825) 67(6.25,-10.825) 68(6.75,-10.825) 69(7.25,-10.825) 70(7.75,-10.825) 71(8.25,-10.825) 110(8.25,10.825) 111(7.75,10.825) 112(7.25,10.825) 113(6.75,10.825) 114(6.25,10.825) 115(5.75,10.825) 116(5.25,10.825) 117(4.75,10.825) 118(4.25,10.825) 119(3.75,10.825) 120(3.25,10.825) 121(2.75,10.825) 122(2.25,10.825) 123(1.75,10.825) 124(1.25,10.825) 125(0.75,10.825) 126(0.25,10.825) 127(-0.25,10.825) 128(-0.75,10.825) 129(-1.25,10.825) 130(-1.75,10.825) 131(-2.25,10.825) 132(-2.75,10.825) 133(-3.25,10.825) 134(-3.75,10.825) 135(-4.25,10.825) 136(-4.75,10.825) 137(-5.25,10.825) 138(-5.75,10.825) 139(-6.25,10.825) 140(-6.75,10.825) 141(-7.25,10.825) 142(-7.75,10.825) 143(-8.25,10.825)
  silkscreen extent -10.1,-10.1 10.1,10.1, body extent -11,-11 11,11, height 1.6